# Altium PCB PCB.PcbDoc (part 1 of 4)
Units mm, origin at the board's own origin, x right, y up, seen from the top; angles counter-clockwise.
Board outline 120 x 75 mm, 4 copper layers (Top, GND 1, Power 2, Bottom), stack 1.586 mm thick; 171 components, 182 nets, 885 pads, 530 vias.
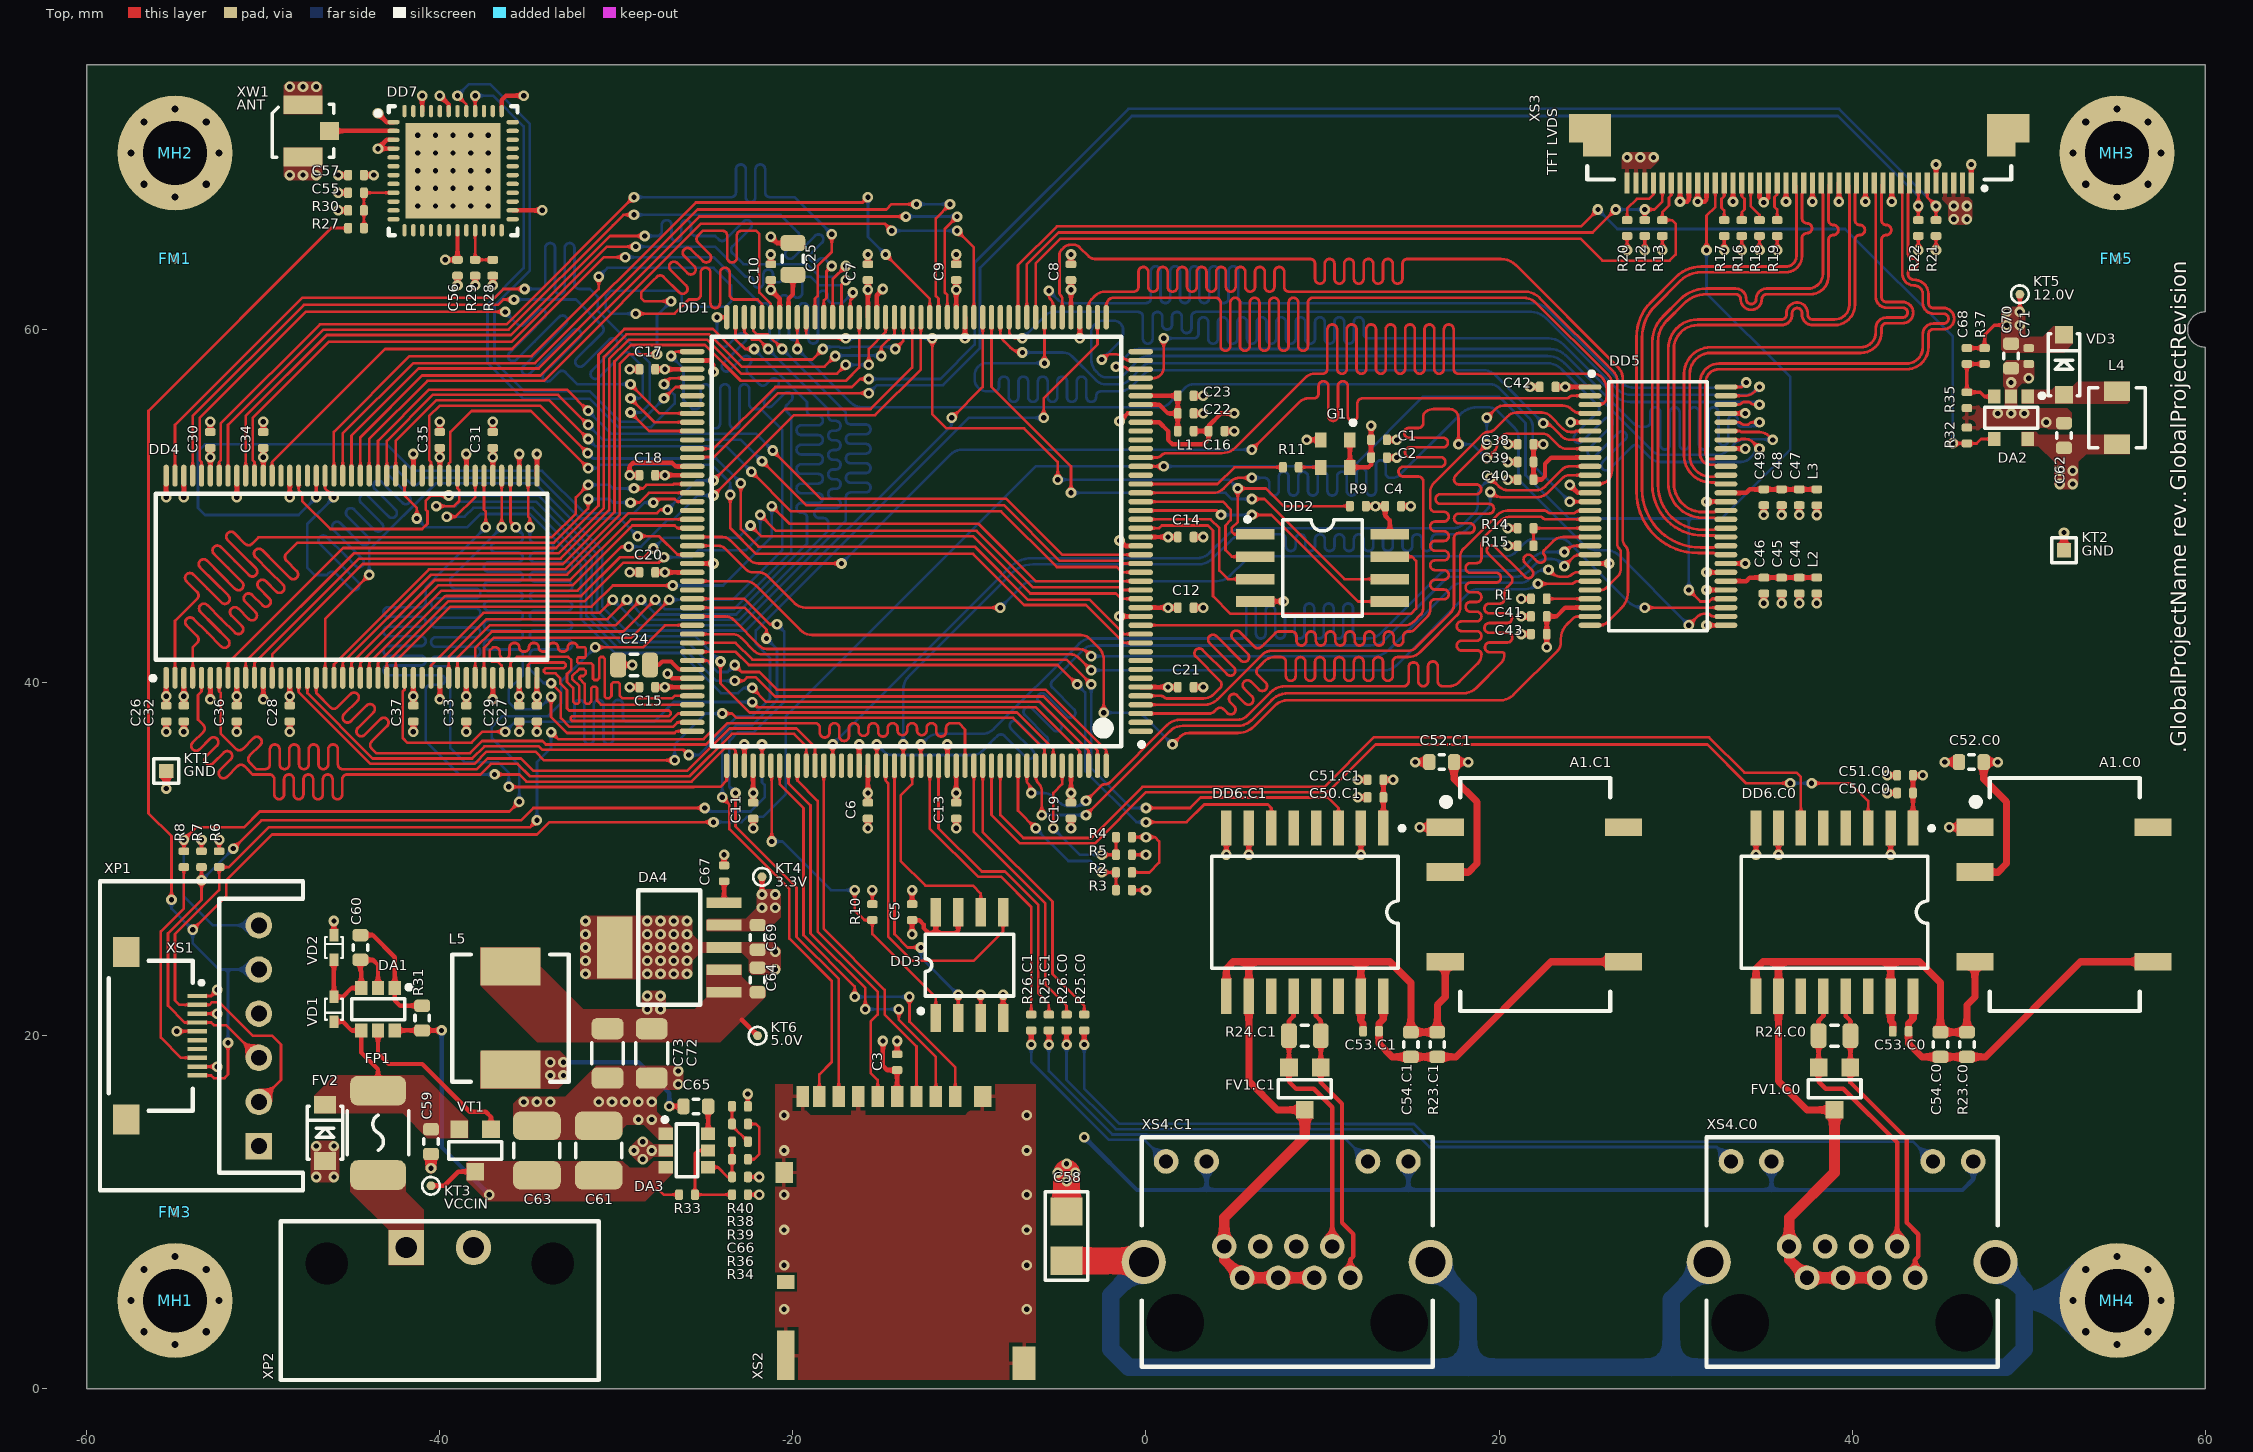
[diagram p0: Top view]
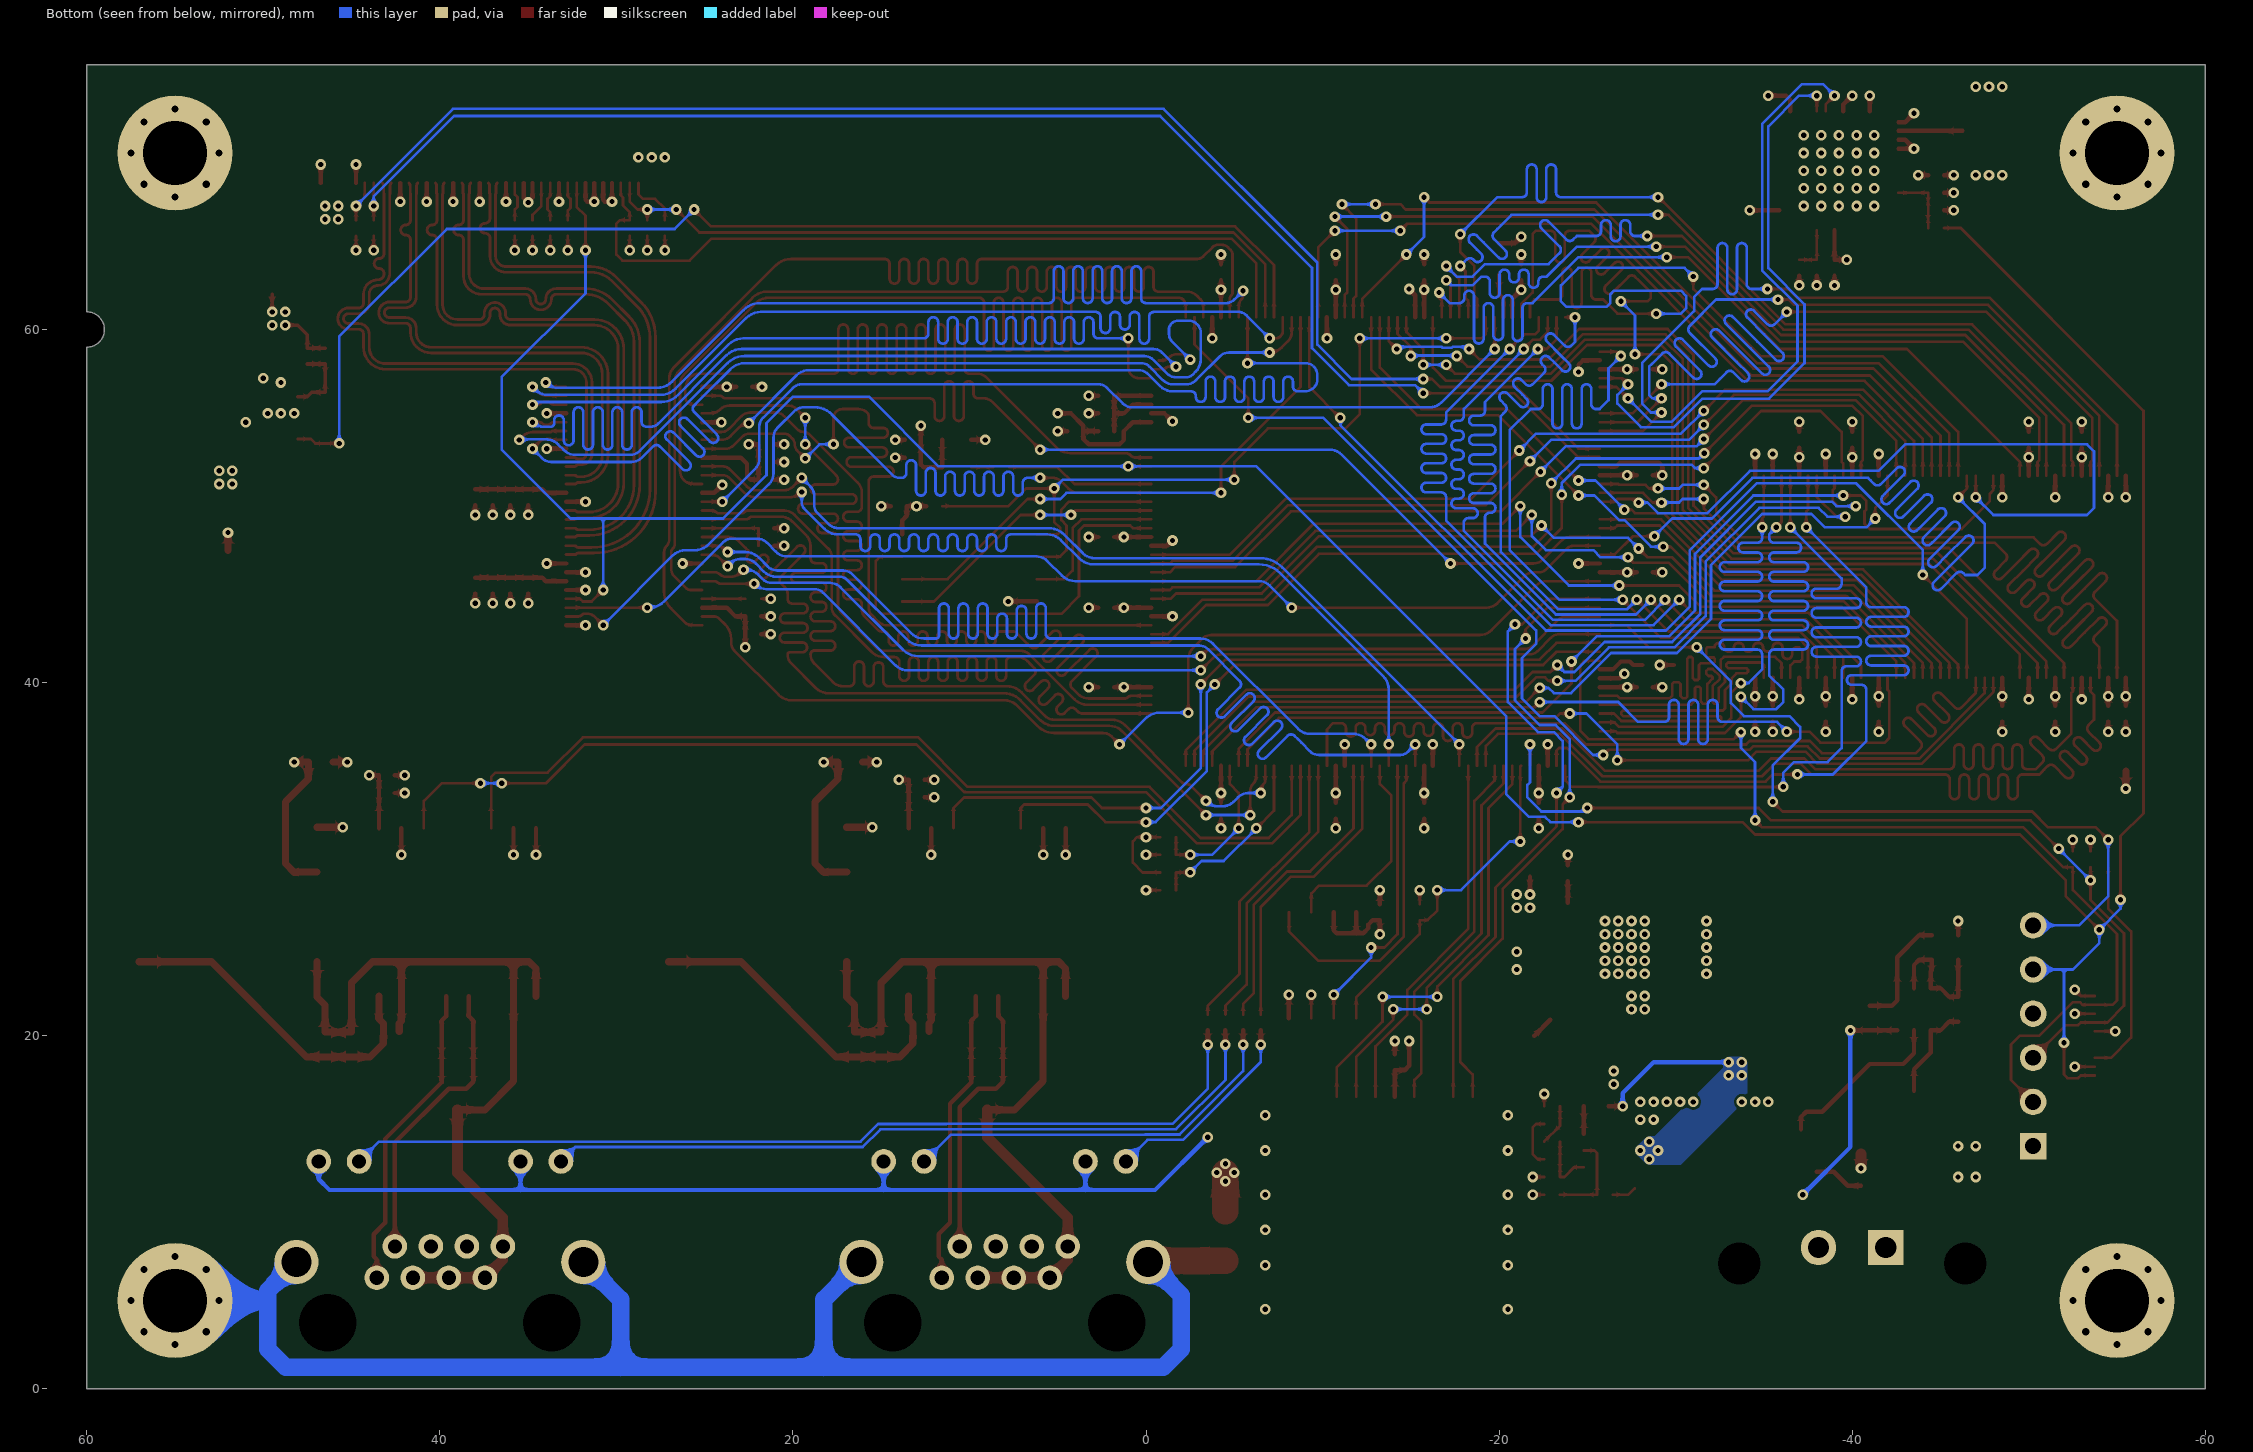
[diagram p1: Bottom view, seen from below]
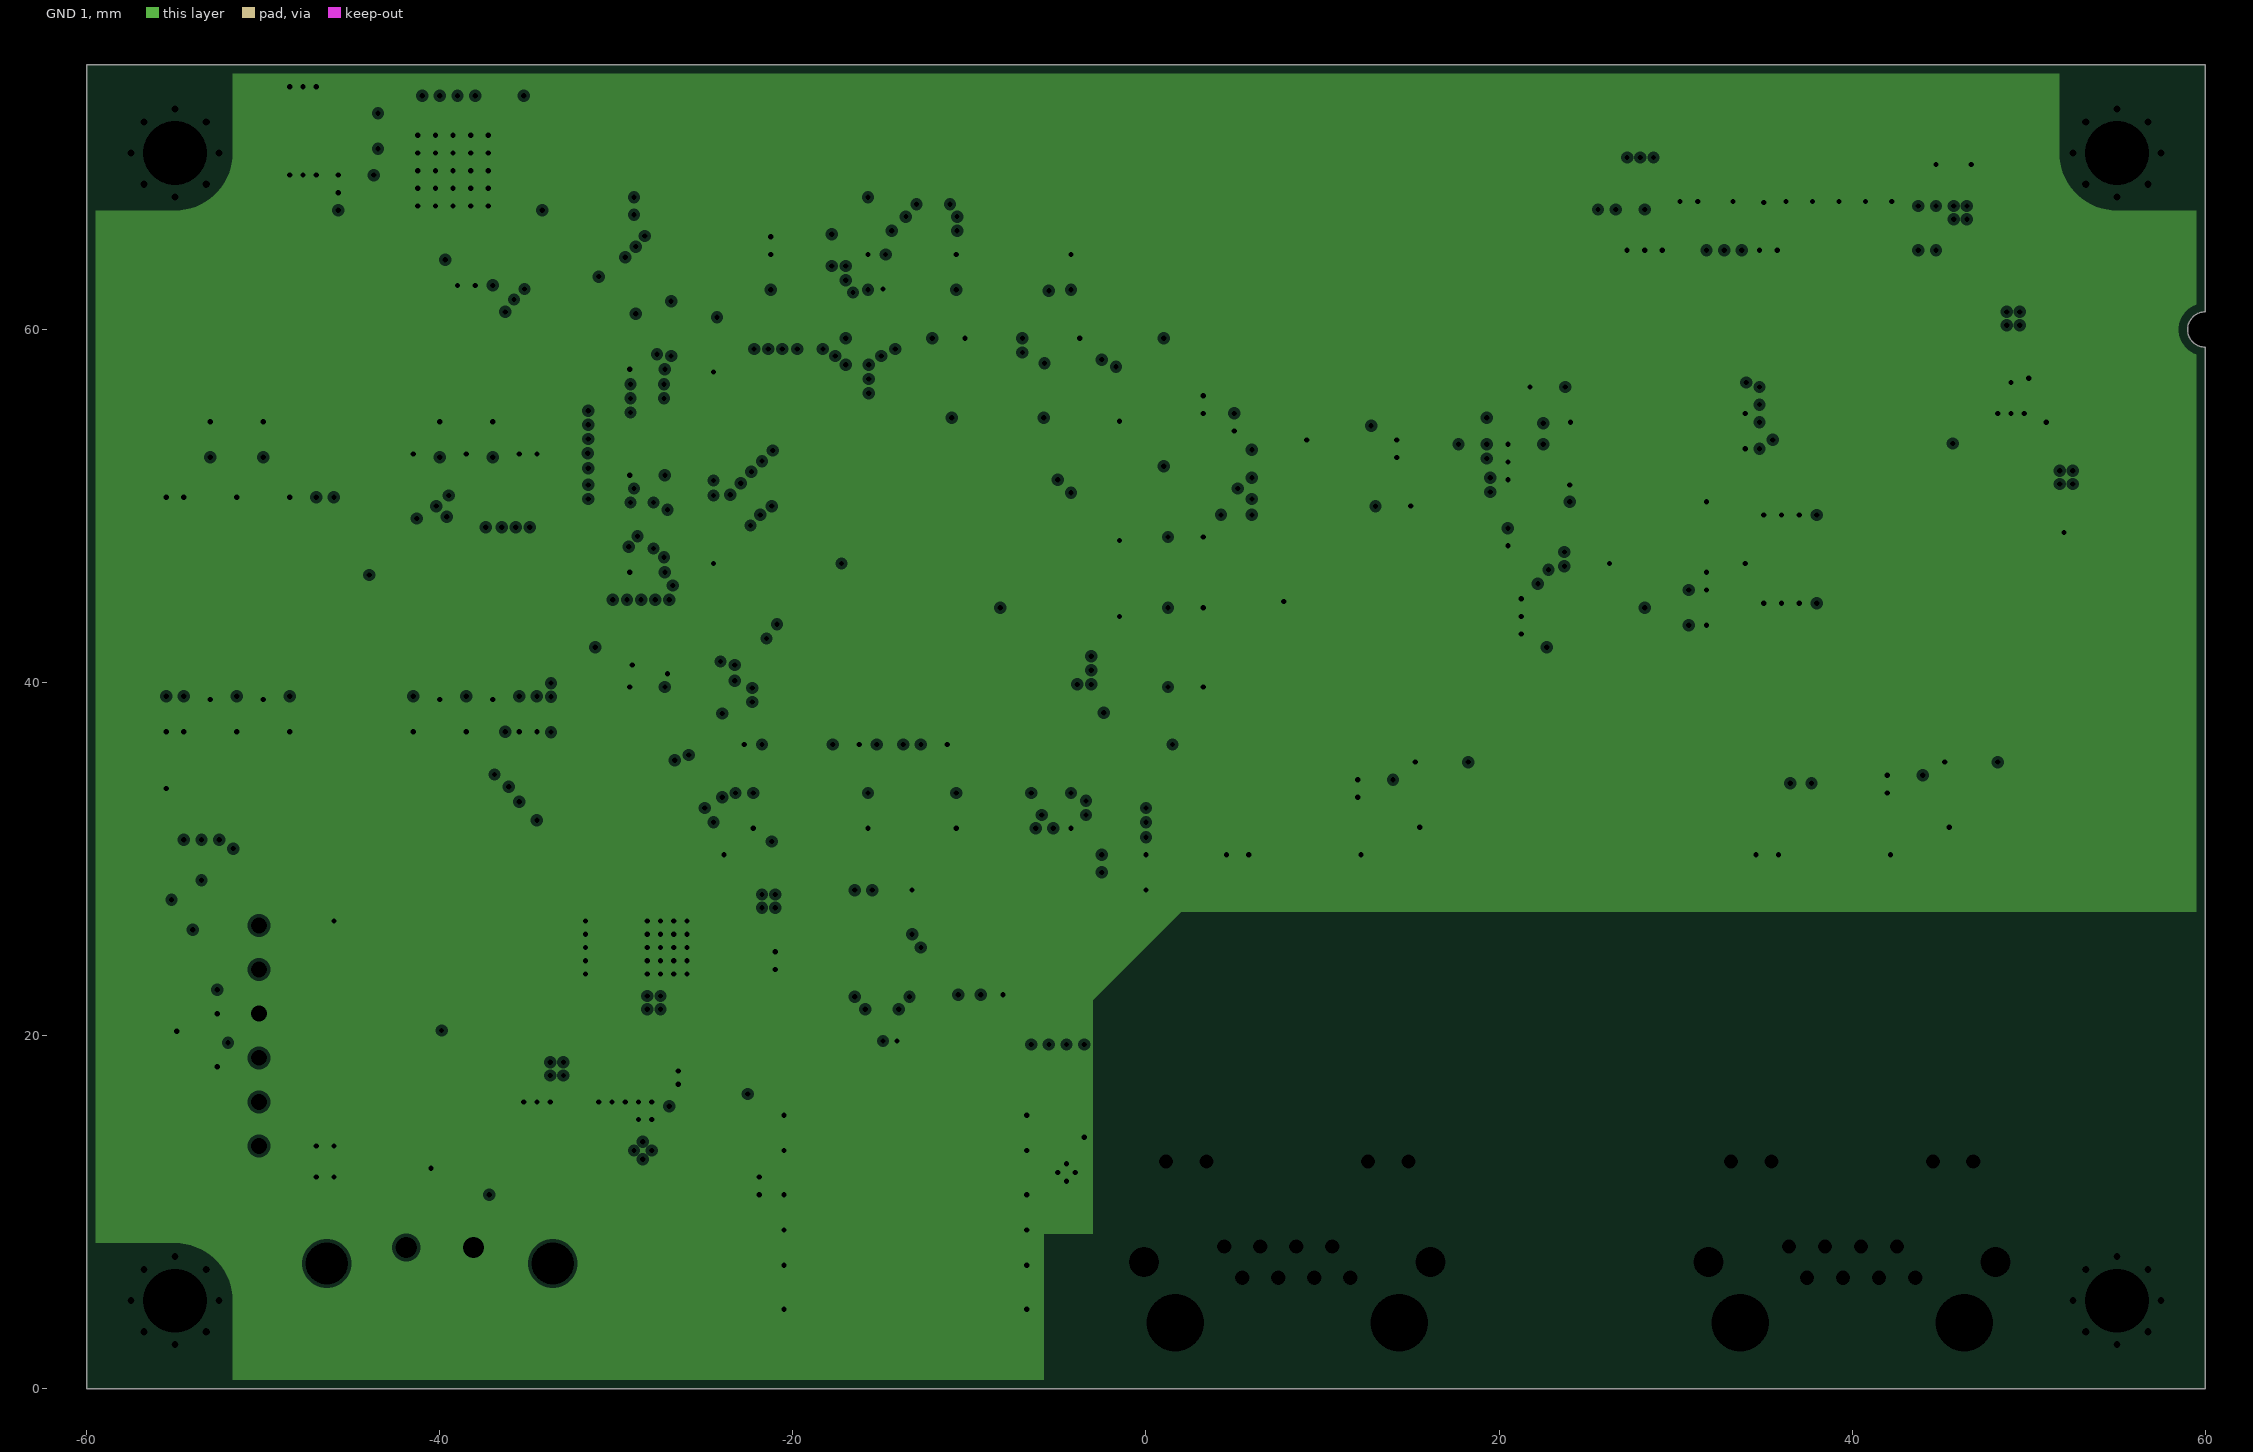
[diagram p2: GND 1, clearances drawn from the general rule]